# Altium PCB ultra.PcbDoc (part 5 of 9) (continued)
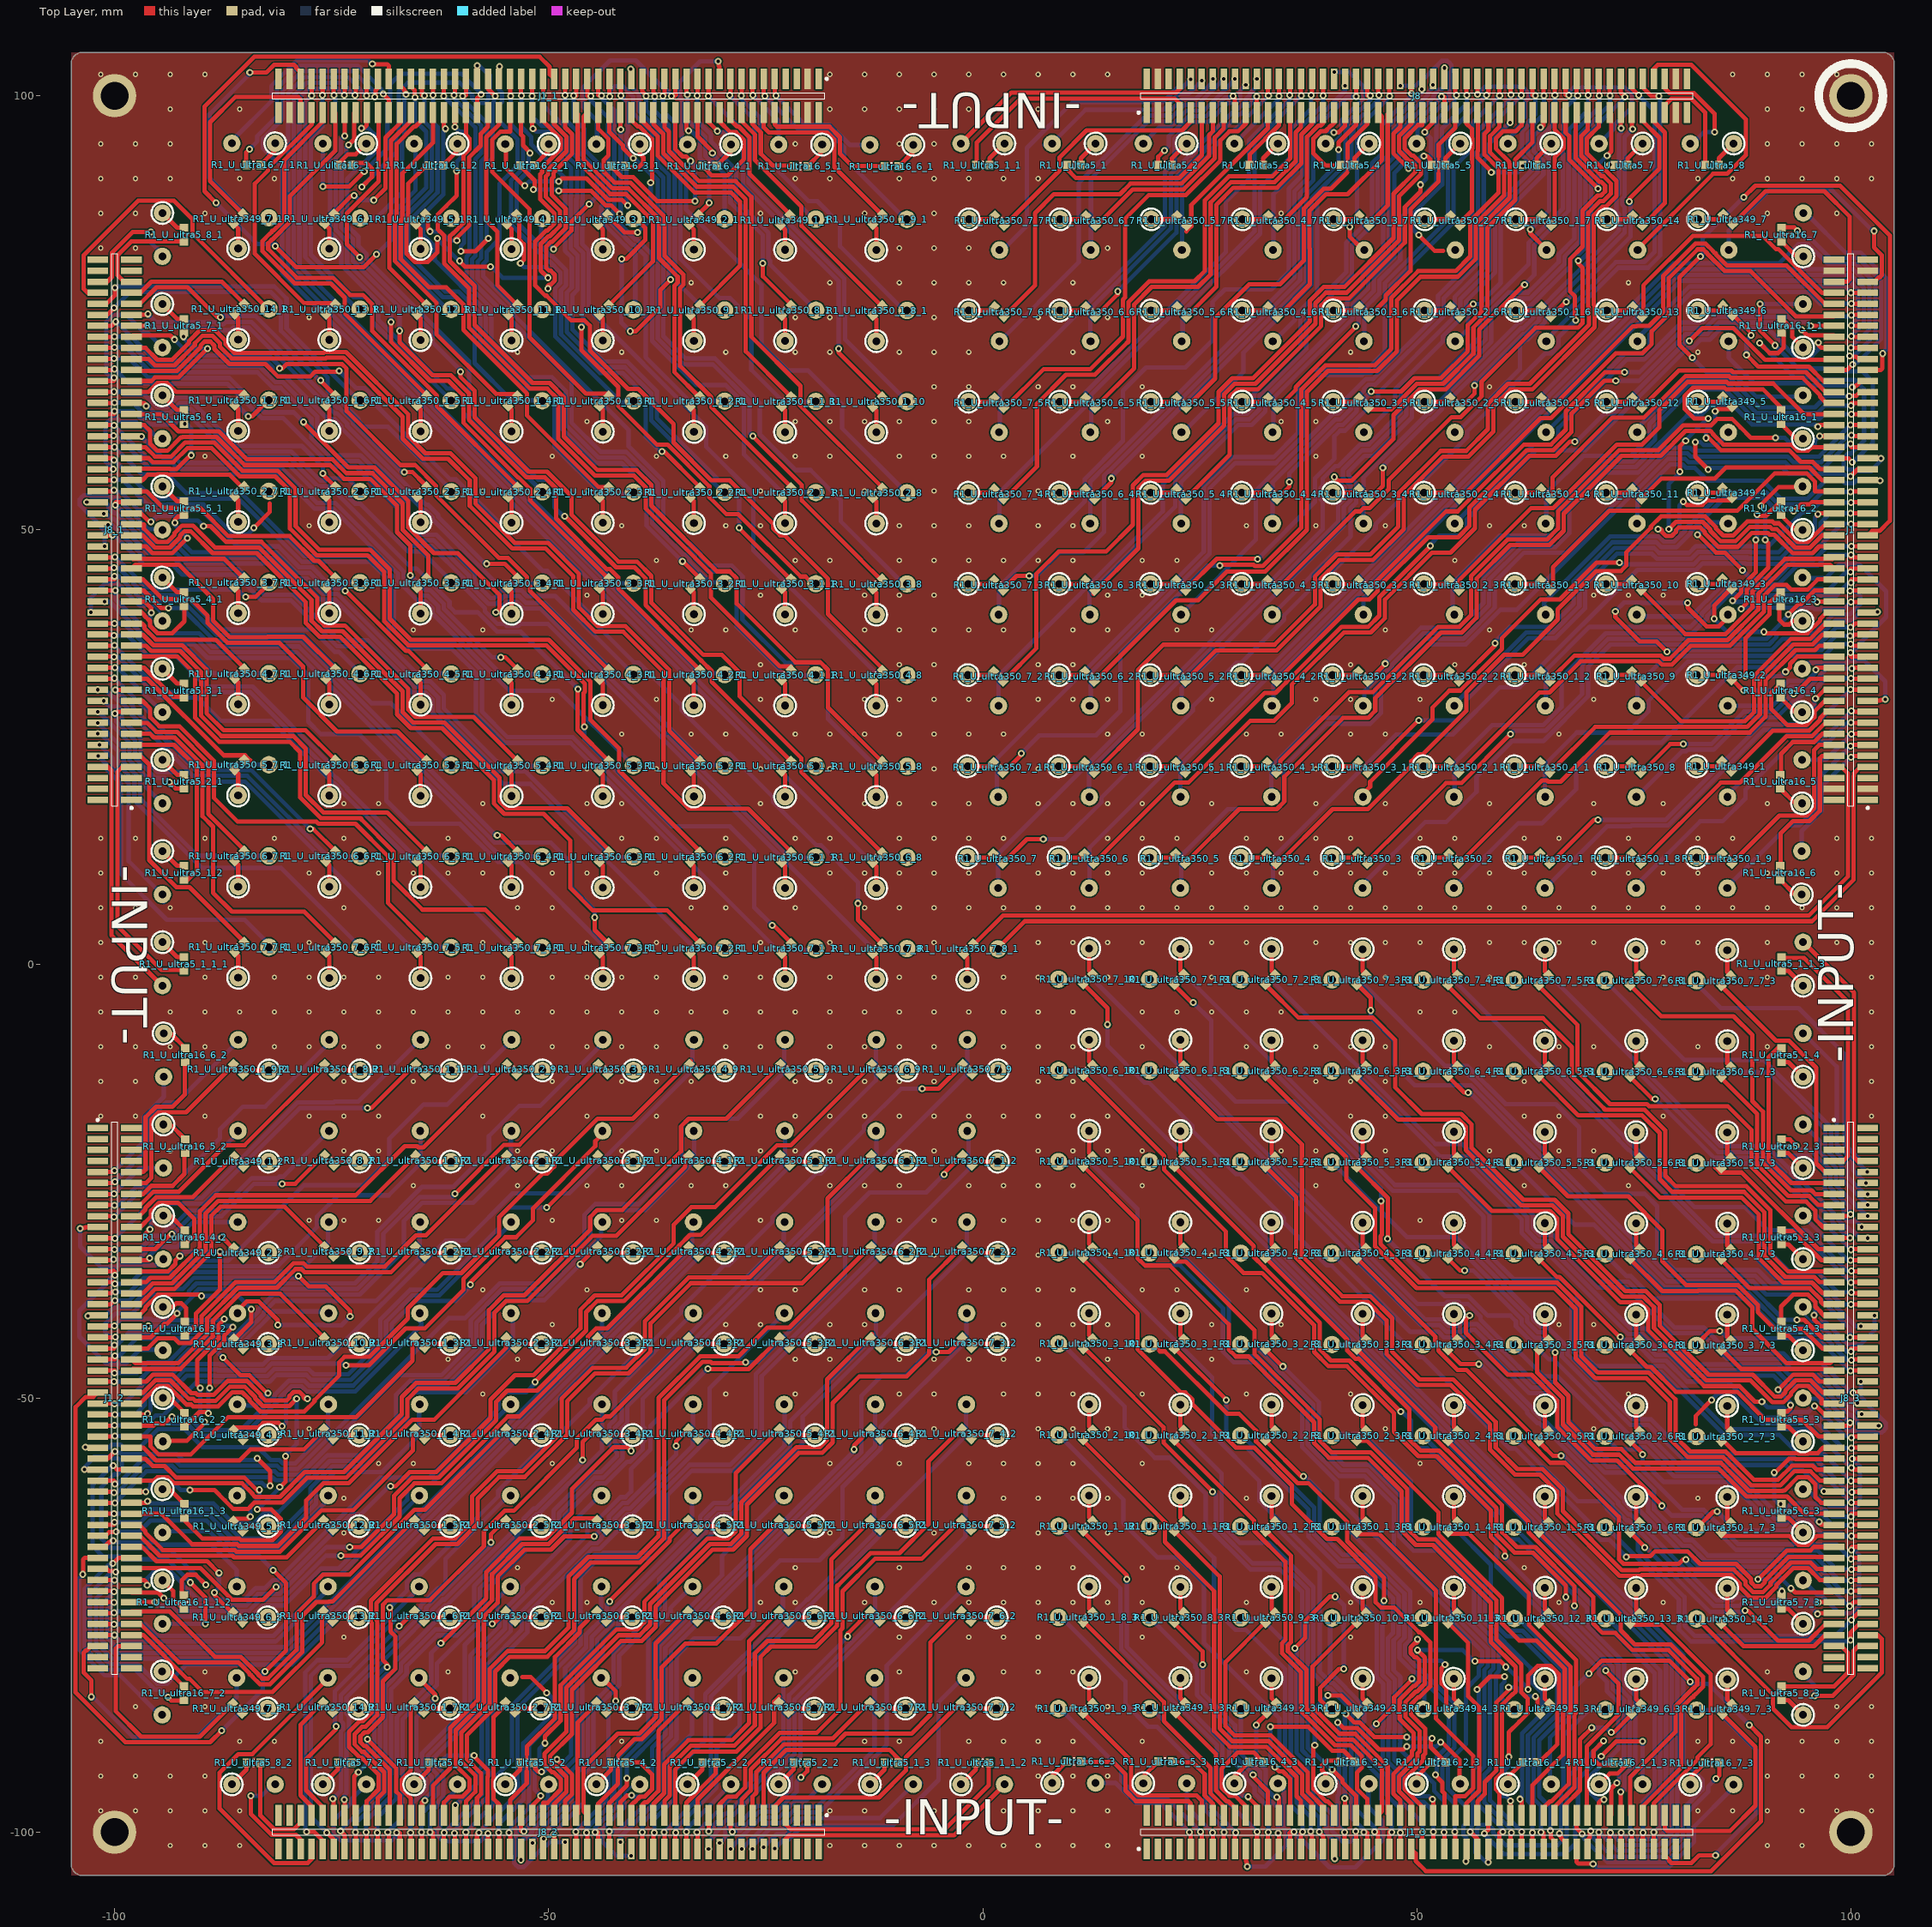
[diagram p0: Top Layer view]
## Nets (pads, with @x,y where several pads share a name; then routed paths per layer and width w, separated by ;. In a path a pad name is that pad's centre, name@x,y a point inside that pad or via, vN(x,y) a via of type N, cw(c..) or ccw(c..) an arc to the next point about the centre after c; other vN are vias at no path point) (continued)
US1_U_ultra5_4_1.2 US1_U_ultra5_4_2.1 US1_U_ultra5_4_2.2 US1_U_ultra5_4_3.1 US1_U_ultra5_4_3.2 US1_U_ultra5_5.1 US1_U_ultra5_5.2 US1_U_ultra5_5_1.1 US1_U_ultra5_5_1.2 US1_U_ultra5_5_2.1 US1_U_ultra5_5_2.2 US1_U_ultra5_5_3.1 US1_U_ultra5_5_3.2 US1_U_ultra5_6.1 US1_U_ultra5_6.2 US1_U_ultra5_6_1.1 US1_U_ultra5_6_1.2 US1_U_ultra5_6_2.1 US1_U_ultra5_6_2.2 US1_U_ultra5_6_3.1 US1_U_ultra5_6_3.2 US1_U_ultra5_7.1 US1_U_ultra5_7.2 US1_U_ultra5_7_1.1 US1_U_ultra5_7_1.2 US1_U_ultra5_7_2.1 US1_U_ultra5_7_2.2 US1_U_ultra5_7_3.1 US1_U_ultra5_7_3.2 US1_U_ultra5_8.1 US1_U_ultra5_8.2 US1_U_ultra5_8_1.1 US1_U_ultra5_8_1.2 US1_U_ultra5_8_2.1 US1_U_ultra5_8_2.2 US1_U_ultra5_8_3.1 US1_U_ultra5_8_3.2 US1_U_ultra16_1.1 US1_U_ultra16_1.2 US1_U_ultra16_1_1.1 US1_U_ultra16_1_1.2 US1_U_ultra16_1_1_1.1 US1_U_ultra16_1_1_1.2 US1_U_ultra16_1_1_2.1 US1_U_ultra16_1_1_2.2 US1_U_ultra16_1_1_3.1 US1_U_ultra16_1_1_3.2 US1_U_ultra16_1_2.1 US1_U_ultra16_1_2.2 US1_U_ultra16_1_3.1 US1_U_ultra16_1_3.2 US1_U_ultra16_1_4.1 US1_U_ultra16_1_4.2 US1_U_ultra16_2.1 US1_U_ultra16_2.2 US1_U_ultra16_2_1.1 US1_U_ultra16_2_1.2 US1_U_ultra16_2_2.1 US1_U_ultra16_2_2.2 US1_U_ultra16_2_3.1 US1_U_ultra16_2_3.2 US1_U_ultra16_3.1 US1_U_ultra16_3.2 US1_U_ultra16_3_1.1 US1_U_ultra16_3_1.2 US1_U_ultra16_3_2.1 US1_U_ultra16_3_2.2 US1_U_ultra16_3_3.1 US1_U_ultra16_3_3.2 US1_U_ultra16_4.1 US1_U_ultra16_4.2 US1_U_ultra16_4_1.1 US1_U_ultra16_4_1.2 US1_U_ultra16_4_2.1 US1_U_ultra16_4_2.2 US1_U_ultra16_4_3.1 US1_U_ultra16_4_3.2 US1_U_ultra16_5.1 US1_U_ultra16_5.2 US1_U_ultra16_5_1.1 US1_U_ultra16_5_1.2 US1_U_ultra16_5_2.1 US1_U_ultra16_5_2.2 US1_U_ultra16_5_3.1 US1_U_ultra16_5_3.2 US1_U_ultra16_6.1 US1_U_ultra16_6.2 US1_U_ultra16_6_1.1 US1_U_ultra16_6_1.2 US1_U_ultra16_6_2.1 US1_U_ultra16_6_2.2 US1_U_ultra16_6_3.1 US1_U_ultra16_6_3.2 US1_U_ultra16_7.1 US1_U_ultra16_7.2 US1_U_ultra16_7_1.1 US1_U_ultra16_7_1.2 US1_U_ultra16_7_2.1 US1_U_ultra16_7_2.2 US1_U_ultra16_7_3.1 US1_U_ultra16_7_3.2 US1_U_ultra349_1.1 US1_U_ultra349_1.2 US1_U_ultra349_1_1.1 US1_U_ultra349_1_1.2 US1_U_ultra349_1_2.1 US1_U_ultra349_1_2.2 US1_U_ultra349_1_3.1 US1_U_ultra349_1_3.2 US1_U_ultra349_2.1 US1_U_ultra349_2.2 US1_U_ultra349_2_1.1 US1_U_ultra349_2_1.2 US1_U_ultra349_2_2.1 US1_U_ultra349_2_2.2 US1_U_ultra349_2_3.1 US1_U_ultra349_2_3.2 US1_U_ultra349_3.1 US1_U_ultra349_3.2 US1_U_ultra349_3_1.1 US1_U_ultra349_3_1.2 US1_U_ultra349_3_2.1 US1_U_ultra349_3_2.2 US1_U_ultra349_3_3.1 US1_U_ultra349_3_3.2 US1_U_ultra349_4.1 US1_U_ultra349_4.2 US1_U_ultra349_4_1.1 US1_U_ultra349_4_1.2 US1_U_ultra349_4_2.1 US1_U_ultra349_4_2.2 US1_U_ultra349_4_3.1 US1_U_ultra349_4_3.2 US1_U_ultra349_5.1 US1_U_ultra349_5.2 US1_U_ultra349_5_1.1 US1_U_ultra349_5_1.2 US1_U_ultra349_5_2.1 US1_U_ultra349_5_2.2 US1_U_ultra349_5_3.1 US1_U_ultra349_5_3.2 US1_U_ultra349_6.1 US1_U_ultra349_6.2 US1_U_ultra349_6_1.1 US1_U_ultra349_6_1.2 US1_U_ultra349_6_2.1 US1_U_ultra349_6_2.2 US1_U_ultra349_6_3.1 US1_U_ultra349_6_3.2 US1_U_ultra349_7.1 US1_U_ultra349_7.2 US1_U_ultra349_7_1.1 US1_U_ultra349_7_1.2 US1_U_ultra349_7_2.1 US1_U_ultra349_7_2.2 US1_U_ultra349_7_3.1 US1_U_ultra349_7_3.2 US1_U_ultra350_1.1 US1_U_ultra350_1.2 US1_U_ultra350_1_1.1 US1_U_ultra350_1_1.2 US1_U_ultra350_1_1_1.1 US1_U_ultra350_1_1_1.2 US1_U_ultra350_1_1_2.1 US1_U_ultra350_1_1_2.2 US1_U_ultra350_1_1_3.1 US1_U_ultra350_1_1_3.2 US1_U_ultra350_1_2.1 US1_U_ultra350_1_2.2 US1_U_ultra350_1_2_1.1 US1_U_ultra350_1_2_1.2 US1_U_ultra350_1_2_2.1 US1_U_ultra350_1_2_2.2 US1_U_ultra350_1_2_3.1 US1_U_ultra350_1_2_3.2 US1_U_ultra350_1_3.1 US1_U_ultra350_1_3.2 US1_U_ultra350_1_3_1.1 US1_U_ultra350_1_3_1.2 US1_U_ultra350_1_3_2.1 US1_U_ultra350_1_3_2.2 US1_U_ultra350_1_3_3.1 US1_U_ultra350_1_3_3.2 US1_U_ultra350_1_4.1 US1_U_ultra350_1_4.2 US1_U_ultra350_1_4_1.1 US1_U_ultra350_1_4_1.2 US1_U_ultra350_1_4_2.1 US1_U_ultra350_1_4_2.2 US1_U_ultra350_1_4_3.1 US1_U_ultra350_1_4_3.2 US1_U_ultra350_1_5.1 US1_U_ultra350_1_5.2 US1_U_ultra350_1_5_1.1 US1_U_ultra350_1_5_1.2 US1_U_ultra350_1_5_2.1 US1_U_ultra350_1_5_2.2 US1_U_ultra350_1_5_3.1 US1_U_ultra350_1_5_3.2 US1_U_ultra350_1_6.1 US1_U_ultra350_1_6.2 US1_U_ultra350_1_6_1.1 US1_U_ultra350_1_6_1.2 US1_U_ultra350_1_6_2.1 US1_U_ultra350_1_6_2.2 US1_U_ultra350_1_6_3.1 US1_U_ultra350_1_6_3.2 US1_U_ultra350_1_7.1 US1_U_ultra350_1_7.2 US1_U_ultra350_1_7_1.1 US1_U_ultra350_1_7_1.2 US1_U_ultra350_1_7_2.1 US1_U_ultra350_1_7_2.2 US1_U_ultra350_1_7_3.1 US1_U_ultra350_1_7_3.2 US1_U_ultra350_1_8.1 US1_U_ultra350_1_8.2 US1_U_ultra350_1_8_1.1 US1_U_ultra350_1_8_1.2 US1_U_ultra350_1_8_2.1 US1_U_ultra350_1_8_2.2 US1_U_ultra350_1_8_3.1 US1_U_ultra350_1_8_3.2 US1_U_ultra350_1_9.1 US1_U_ultra350_1_9.2 US1_U_ultra350_1_9_1.1 US1_U_ultra350_1_9_1.2 US1_U_ultra350_1_9_2.1 US1_U_ultra350_1_9_2.2 US1_U_ultra350_1_9_3.1 US1_U_ultra350_1_9_3.2 US1_U_ultra350_1_10.1 US1_U_ultra350_1_10.2 US1_U_ultra350_1_11.1 US1_U_ultra350_1_11.2 US1_U_ultra350_1_12.1 US1_U_ultra350_1_12.2 US1_U_ultra350_2.1 US1_U_ultra350_2.2 US1_U_ultra350_2_1.1 US1_U_ultra350_2_1.2 US1_U_ultra350_2_1_1.1 US1_U_ultra350_2_1_1.2 US1_U_ultra350_2_1_2.1 US1_U_ultra350_2_1_2.2 US1_U_ultra350_2_1_3.1 US1_U_ultra350_2_1_3.2 US1_U_ultra350_2_2.1 US1_U_ultra350_2_2.2 US1_U_ultra350_2_2_1.1 US1_U_ultra350_2_2_1.2 US1_U_ultra350_2_2_2.1 US1_U_ultra350_2_2_2.2 US1_U_ultra350_2_2_3.1 US1_U_ultra350_2_2_3.2 US1_U_ultra350_2_3.1 US1_U_ultra350_2_3.2 US1_U_ultra350_2_3_1.1 US1_U_ultra350_2_3_1.2 US1_U_ultra350_2_3_2.1 US1_U_ultra350_2_3_2.2 US1_U_ultra350_2_3_3.1 US1_U_ultra350_2_3_3.2 US1_U_ultra350_2_4.1 US1_U_ultra350_2_4.2 US1_U_ultra350_2_4_1.1 US1_U_ultra350_2_4_1.2 US1_U_ultra350_2_4_2.1 US1_U_ultra350_2_4_2.2 US1_U_ultra350_2_4_3.1 US1_U_ultra350_2_4_3.2 US1_U_ultra350_2_5.1 US1_U_ultra350_2_5.2 US1_U_ultra350_2_5_1.1 US1_U_ultra350_2_5_1.2 US1_U_ultra350_2_5_2.1 US1_U_ultra350_2_5_2.2 US1_U_ultra350_2_5_3.1 US1_U_ultra350_2_5_3.2 US1_U_ultra350_2_6.1 US1_U_ultra350_2_6.2 US1_U_ultra350_2_6_1.1 US1_U_ultra350_2_6_1.2 US1_U_ultra350_2_6_2.1 US1_U_ultra350_2_6_2.2 US1_U_ultra350_2_6_3.1 US1_U_ultra350_2_6_3.2 US1_U_ultra350_2_7.1 US1_U_ultra350_2_7.2 US1_U_ultra350_2_7_1.1 US1_U_ultra350_2_7_1.2 US1_U_ultra350_2_7_2.1 US1_U_ultra350_2_7_2.2 US1_U_ultra350_2_7_3.1 US1_U_ultra350_2_7_3.2 US1_U_ultra350_2_8.1 US1_U_ultra350_2_8.2 US1_U_ultra350_2_9.1 US1_U_ultra350_2_9.2 US1_U_ultra350_2_10.1 US1_U_ultra350_2_10.2 US1_U_ultra350_3.1 US1_U_ultra350_3.2 US1_U_ultra350_3_1.1 US1_U_ultra350_3_1.2 US1_U_ultra350_3_1_1.1 US1_U_ultra350_3_1_1.2 US1_U_ultra350_3_1_2.1 US1_U_ultra350_3_1_2.2 US1_U_ultra350_3_1_3.1 US1_U_ultra350_3_1_3.2 US1_U_ultra350_3_2.1 US1_U_ultra350_3_2.2 US1_U_ultra350_3_2_1.1 US1_U_ultra350_3_2_1.2 US1_U_ultra350_3_2_2.1 US1_U_ultra350_3_2_2.2 US1_U_ultra350_3_2_3.1 US1_U_ultra350_3_2_3.2 US1_U_ultra350_3_3.1 US1_U_ultra350_3_3.2 US1_U_ultra350_3_3_1.1 US1_U_ultra350_3_3_1.2 US1_U_ultra350_3_3_2.1 US1_U_ultra350_3_3_2.2 US1_U_ultra350_3_3_3.1 US1_U_ultra350_3_3_3.2 US1_U_ultra350_3_4.1 US1_U_ultra350_3_4.2 US1_U_ultra350_3_4_1.1 US1_U_ultra350_3_4_1.2 US1_U_ultra350_3_4_2.1 US1_U_ultra350_3_4_2.2 US1_U_ultra350_3_4_3.1 US1_U_ultra350_3_4_3.2 US1_U_ultra350_3_5.1 US1_U_ultra350_3_5.2 US1_U_ultra350_3_5_1.1 US1_U_ultra350_3_5_1.2 US1_U_ultra350_3_5_2.1 US1_U_ultra350_3_5_2.2 US1_U_ultra350_3_5_3.1 US1_U_ultra350_3_5_3.2 US1_U_ultra350_3_6.1 US1_U_ultra350_3_6.2 US1_U_ultra350_3_6_1.1 US1_U_ultra350_3_6_1.2 US1_U_ultra350_3_6_2.1 US1_U_ultra350_3_6_2.2 US1_U_ultra350_3_6_3.1 US1_U_ultra350_3_6_3.2 US1_U_ultra350_3_7.1 US1_U_ultra350_3_7.2 US1_U_ultra350_3_7_1.1 US1_U_ultra350_3_7_1.2 US1_U_ultra350_3_7_2.1 US1_U_ultra350_3_7_2.2 US1_U_ultra350_3_7_3.1 US1_U_ultra350_3_7_3.2 US1_U_ultra350_3_8.1 US1_U_ultra350_3_8.2 US1_U_ultra350_3_9.1 US1_U_ultra350_3_9.2 US1_U_ultra350_3_10.1 US1_U_ultra350_3_10.2 US1_U_ultra350_4.1 US1_U_ultra350_4.2 US1_U_ultra350_4_1.1 US1_U_ultra350_4_1.2 US1_U_ultra350_4_1_1.1 US1_U_ultra350_4_1_1.2 US1_U_ultra350_4_1_2.1 US1_U_ultra350_4_1_2.2 US1_U_ultra350_4_1_3.1 US1_U_ultra350_4_1_3.2 US1_U_ultra350_4_2.1 US1_U_ultra350_4_2.2 US1_U_ultra350_4_2_1.1 US1_U_ultra350_4_2_1.2 US1_U_ultra350_4_2_2.1 US1_U_ultra350_4_2_2.2 US1_U_ultra350_4_2_3.1 US1_U_ultra350_4_2_3.2 US1_U_ultra350_4_3.1 US1_U_ultra350_4_3.2 US1_U_ultra350_4_3_1.1 US1_U_ultra350_4_3_1.2 US1_U_ultra350_4_3_2.1 US1_U_ultra350_4_3_2.2 US1_U_ultra350_4_3_3.1 US1_U_ultra350_4_3_3.2 US1_U_ultra350_4_4.1 US1_U_ultra350_4_4.2 US1_U_ultra350_4_4_1.1 US1_U_ultra350_4_4_1.2 US1_U_ultra350_4_4_2.1 US1_U_ultra350_4_4_2.2 US1_U_ultra350_4_4_3.1 US1_U_ultra350_4_4_3.2 US1_U_ultra350_4_5.1 US1_U_ultra350_4_5.2 US1_U_ultra350_4_5_1.1 US1_U_ultra350_4_5_1.2 US1_U_ultra350_4_5_2.1 US1_U_ultra350_4_5_2.2 US1_U_ultra350_4_5_3.1 US1_U_ultra350_4_5_3.2 US1_U_ultra350_4_6.1 US1_U_ultra350_4_6.2 US1_U_ultra350_4_6_1.1 US1_U_ultra350_4_6_1.2 US1_U_ultra350_4_6_2.1 US1_U_ultra350_4_6_2.2 US1_U_ultra350_4_6_3.1 US1_U_ultra350_4_6_3.2 US1_U_ultra350_4_7.1 US1_U_ultra350_4_7.2 US1_U_ultra350_4_7_1.1 US1_U_ultra350_4_7_1.2 US1_U_ultra350_4_7_2.1 US1_U_ultra350_4_7_2.2 US1_U_ultra350_4_7_3.1 US1_U_ultra350_4_7_3.2 US1_U_ultra350_4_8.1 US1_U_ultra350_4_8.2 US1_U_ultra350_4_9.1 US1_U_ultra350_4_9.2 US1_U_ultra350_4_10.1 US1_U_ultra350_4_10.2 US1_U_ultra350_5.1 US1_U_ultra350_5.2 US1_U_ultra350_5_1.1 US1_U_ultra350_5_1.2 US1_U_ultra350_5_1_1.1 US1_U_ultra350_5_1_1.2 US1_U_ultra350_5_1_2.1 US1_U_ultra350_5_1_2.2 US1_U_ultra350_5_1_3.1 US1_U_ultra350_5_1_3.2 US1_U_ultra350_5_2.1 US1_U_ultra350_5_2.2 US1_U_ultra350_5_2_1.1 US1_U_ultra350_5_2_1.2 US1_U_ultra350_5_2_2.1 US1_U_ultra350_5_2_2.2 US1_U_ultra350_5_2_3.1 US1_U_ultra350_5_2_3.2 US1_U_ultra350_5_3.1 US1_U_ultra350_5_3.2 US1_U_ultra350_5_3_1.1 US1_U_ultra350_5_3_1.2 US1_U_ultra350_5_3_2.1 US1_U_ultra350_5_3_2.2 US1_U_ultra350_5_3_3.1 US1_U_ultra350_5_3_3.2 US1_U_ultra350_5_4.1 US1_U_ultra350_5_4.2 US1_U_ultra350_5_4_1.1 US1_U_ultra350_5_4_1.2 US1_U_ultra350_5_4_2.1 US1_U_ultra350_5_4_2.2 US1_U_ultra350_5_4_3.1 US1_U_ultra350_5_4_3.2 US1_U_ultra350_5_5.1 US1_U_ultra350_5_5.2 US1_U_ultra350_5_5_1.1 US1_U_ultra350_5_5_1.2 US1_U_ultra350_5_5_2.1 US1_U_ultra350_5_5_2.2 US1_U_ultra350_5_5_3.1 US1_U_ultra350_5_5_3.2 US1_U_ultra350_5_6.1 US1_U_ultra350_5_6.2 US1_U_ultra350_5_6_1.1 US1_U_ultra350_5_6_1.2 US1_U_ultra350_5_6_2.1 US1_U_ultra350_5_6_2.2 US1_U_ultra350_5_6_3.1 US1_U_ultra350_5_6_3.2 US1_U_ultra350_5_7.1 US1_U_ultra350_5_7.2 US1_U_ultra350_5_7_1.1 US1_U_ultra350_5_7_1.2 US1_U_ultra350_5_7_2.1 US1_U_ultra350_5_7_2.2 US1_U_ultra350_5_7_3.1 US1_U_ultra350_5_7_3.2 US1_U_ultra350_5_8.1 US1_U_ultra350_5_8.2 US1_U_ultra350_5_9.1 US1_U_ultra350_5_9.2 US1_U_ultra350_5_10.1 US1_U_ultra350_5_10.2 US1_U_ultra350_6.1 US1_U_ultra350_6.2 US1_U_ultra350_6_1.1 US1_U_ultra350_6_1.2 US1_U_ultra350_6_1_1.1 US1_U_ultra350_6_1_1.2 US1_U_ultra350_6_1_2.1 US1_U_ultra350_6_1_2.2 US1_U_ultra350_6_1_3.1 US1_U_ultra350_6_1_3.2 US1_U_ultra350_6_2.1 US1_U_ultra350_6_2.2 US1_U_ultra350_6_2_1.1 US1_U_ultra350_6_2_1.2 US1_U_ultra350_6_2_2.1 US1_U_ultra350_6_2_2.2 US1_U_ultra350_6_2_3.1 US1_U_ultra350_6_2_3.2 US1_U_ultra350_6_3.1 US1_U_ultra350_6_3.2 US1_U_ultra350_6_3_1.1 US1_U_ultra350_6_3_1.2 US1_U_ultra350_6_3_2.1 US1_U_ultra350_6_3_2.2 US1_U_ultra350_6_3_3.1 US1_U_ultra350_6_3_3.2 US1_U_ultra350_6_4.1 US1_U_ultra350_6_4.2 US1_U_ultra350_6_4_1.1 US1_U_ultra350_6_4_1.2 US1_U_ultra350_6_4_2.1 US1_U_ultra350_6_4_2.2 US1_U_ultra350_6_4_3.1 US1_U_ultra350_6_4_3.2 US1_U_ultra350_6_5.1 US1_U_ultra350_6_5.2 US1_U_ultra350_6_5_1.1 US1_U_ultra350_6_5_1.2 US1_U_ultra350_6_5_2.1 US1_U_ultra350_6_5_2.2 US1_U_ultra350_6_5_3.1 US1_U_ultra350_6_5_3.2 US1_U_ultra350_6_6.1 US1_U_ultra350_6_6.2 US1_U_ultra350_6_6_1.1 US1_U_ultra350_6_6_1.2 US1_U_ultra350_6_6_2.1 US1_U_ultra350_6_6_2.2 US1_U_ultra350_6_6_3.1 US1_U_ultra350_6_6_3.2 US1_U_ultra350_6_7.1 US1_U_ultra350_6_7.2 US1_U_ultra350_6_7_1.1 US1_U_ultra350_6_7_1.2 US1_U_ultra350_6_7_2.1 US1_U_ultra350_6_7_2.2 US1_U_ultra350_6_7_3.1 US1_U_ultra350_6_7_3.2 US1_U_ultra350_6_8.1 US1_U_ultra350_6_8.2 US1_U_ultra350_6_9.1 US1_U_ultra350_6_9.2 US1_U_ultra350_6_10.1 US1_U_ultra350_6_10.2 US1_U_ultra350_7.1 US1_U_ultra350_7.2 US1_U_ultra350_7_1.1 US1_U_ultra350_7_1.2 US1_U_ultra350_7_1_1.1 US1_U_ultra350_7_1_1.2 US1_U_ultra350_7_1_2.1 US1_U_ultra350_7_1_2.2 US1_U_ultra350_7_1_3.1 US1_U_ultra350_7_1_3.2 US1_U_ultra350_7_2.1 US1_U_ultra350_7_2.2 US1_U_ultra350_7_2_1.1 US1_U_ultra350_7_2_1.2 US1_U_ultra350_7_2_2.1 US1_U_ultra350_7_2_2.2 US1_U_ultra350_7_2_3.1 US1_U_ultra350_7_2_3.2 US1_U_ultra350_7_3.1 US1_U_ultra350_7_3.2 US1_U_ultra350_7_3_1.1 US1_U_ultra350_7_3_1.2 US1_U_ultra350_7_3_2.1 US1_U_ultra350_7_3_2.2 US1_U_ultra350_7_3_3.1 US1_U_ultra350_7_3_3.2 US1_U_ultra350_7_4.1 US1_U_ultra350_7_4.2 US1_U_ultra350_7_4_1.1 US1_U_ultra350_7_4_1.2 US1_U_ultra350_7_4_2.1 US1_U_ultra350_7_4_2.2 US1_U_ultra350_7_4_3.1 US1_U_ultra350_7_4_3.2 US1_U_ultra350_7_5.1 US1_U_ultra350_7_5.2 US1_U_ultra350_7_5_1.1 US1_U_ultra350_7_5_1.2 US1_U_ultra350_7_5_2.1 US1_U_ultra350_7_5_2.2 US1_U_ultra350_7_5_3.1 US1_U_ultra350_7_5_3.2 US1_U_ultra350_7_6.1 US1_U_ultra350_7_6.2 US1_U_ultra350_7_6_1.1 US1_U_ultra350_7_6_1.2 US1_U_ultra350_7_6_2.1 US1_U_ultra350_7_6_2.2 US1_U_ultra350_7_6_3.1 US1_U_ultra350_7_6_3.2 US1_U_ultra350_7_7.1 US1_U_ultra350_7_7.2 US1_U_ultra350_7_7_1.1 US1_U_ultra350_7_7_1.2 US1_U_ultra350_7_7_2.1 US1_U_ultra350_7_7_2.2 US1_U_ultra350_7_7_3.1 US1_U_ultra350_7_7_3.2 US1_U_ultra350_7_8.1 US1_U_ultra350_7_8.2 US1_U_ultra350_7_8_1.1 US1_U_ultra350_7_8_1.2 US1_U_ultra350_7_9.1 US1_U_ultra350_7_9.2 US1_U_ultra350_7_10.1 US1_U_ultra350_7_10.2 US1_U_ultra350_8.1 US1_U_ultra350_8.2 US1_U_ultra350_8_1.1 US1_U_ultra350_8_1.2 US1_U_ultra350_8_2.1 US1_U_ultra350_8_2.2 US1_U_ultra350_8_3.1 US1_U_ultra350_8_3.2 US1_U_ultra350_9.1 US1_U_ultra350_9.2 US1_U_ultra350_9_1.1 US1_U_ultra350_9_1.2 US1_U_ultra350_9_2.1 US1_U_ultra350_9_2.2 US1_U_ultra350_9_3.1 US1_U_ultra350_9_3.2 US1_U_ultra350_10.1 US1_U_ultra350_10.2 US1_U_ultra350_10_1.1 US1_U_ultra350_10_1.2 US1_U_ultra350_10_2.1 US1_U_ultra350_10_2.2 US1_U_ultra350_10_3.1 US1_U_ultra350_10_3.2 US1_U_ultra350_11.1 US1_U_ultra350_11.2 US1_U_ultra350_11_1.1 US1_U_ultra350_11_1.2 US1_U_ultra350_11_2.1 US1_U_ultra350_11_2.2 US1_U_ultra350_11_3.1 US1_U_ultra350_11_3.2 US1_U_ultra350_12.1 US1_U_ultra350_12.2 US1_U_ultra350_12_1.1 US1_U_ultra350_12_1.2 US1_U_ultra350_12_2.1 US1_U_ultra350_12_2.2 US1_U_ultra350_12_3.1 US1_U_ultra350_12_3.2 US1_U_ultra350_13.1 US1_U_ultra350_13.2 US1_U_ultra350_13_1.1 US1_U_ultra350_13_1.2 US1_U_ultra350_13_2.1 US1_U_ultra350_13_2.2 US1_U_ultra350_13_3.1 US1_U_ultra350_13_3.2 US1_U_ultra350_14.1 US1_U_ultra350_14.2 US1_U_ultra350_14_1.1 US1_U_ultra350_14_1.2 US1_U_ultra350_14_2.1 US1_U_ultra350_14_2.2 US1_U_ultra350_14_3.1 US1_U_ultra350_14_3.2
copper on no net: | length 26435.4
  Top Layer w0.2: v2(-103.2,53.188) -103.276,53.111 -103.276,53.086 -103.187,53.175 -101.95,53.175 ; v2(-102.718,40.513) -102.68,40.475 -101.95,40.475 ; v2@-101.95,23.965 -101.892,23.965 v2(-101.879,23.952) ; v2@-101.95,25.235 -101.74,25.235 v2(-101.727,25.222) ; -101.95,41.745 -101.156,41.745 v2(-101.143,41.732) ; v2(-53.188,-103.2) -53.111,-103.276 -53.086,-103.276 -53.175,-103.187 -53.175,-101.95 ; -41.745,-101.95 -41.745,-101.156 v2(-41.732,-101.143) ; v2(-40.513,-102.718) -40.475,-102.68 -40.475,-101.95 ; v2@-25.235,-101.95 -25.235,-101.74 v2(-25.222,-101.727) ; v2@-23.965,-101.95 -23.965,-101.892 v2(-23.952,-101.879) ; v2(101.143,-41.732) 101.156,-41.745 101.95,-41.745 ; v2(101.727,-25.222) 101.74,-25.235 v2@101.95,-25.235 ; v2(101.879,-23.952) 101.892,-23.965 v2@101.95,-23.965 ; 101.95,-53.175 103.187,-53.175 103.276,-53.086 103.276,-53.111 v2(103.2,-53.188) ; 101.95,-40.475 102.68,-40.475 v2(102.718,-40.513)
  Top Layer w0.3: -93.015,52.527 -91.11,52.527 -91.084,52.502 ; -92.786,42.012 -92.761,41.986 -91.161,41.986 ; -52.527,-93.015 -52.527,-91.11 -52.502,-91.084 ; -42.012,-92.786 -41.986,-92.761 -41.986,-91.161 ; 91.084,-52.502 91.11,-52.527 93.015,-52.527 ; 91.161,-41.986 92.761,-41.986 92.786,-42.012